# Altium PCB DM1092.PcbDoc (part 5 of 5)
Units mm, origin at the board's own origin, x right, y up, seen from the top; angles counter-clockwise.
Board outline 60 x 45 mm, 6 copper layers (Layer 1, Layer 2, Layer 3, Layer 4, Layer 5, Layer 6), stack 1.599 mm thick; 208 components, 159 nets, 838 pads, 480 vias.
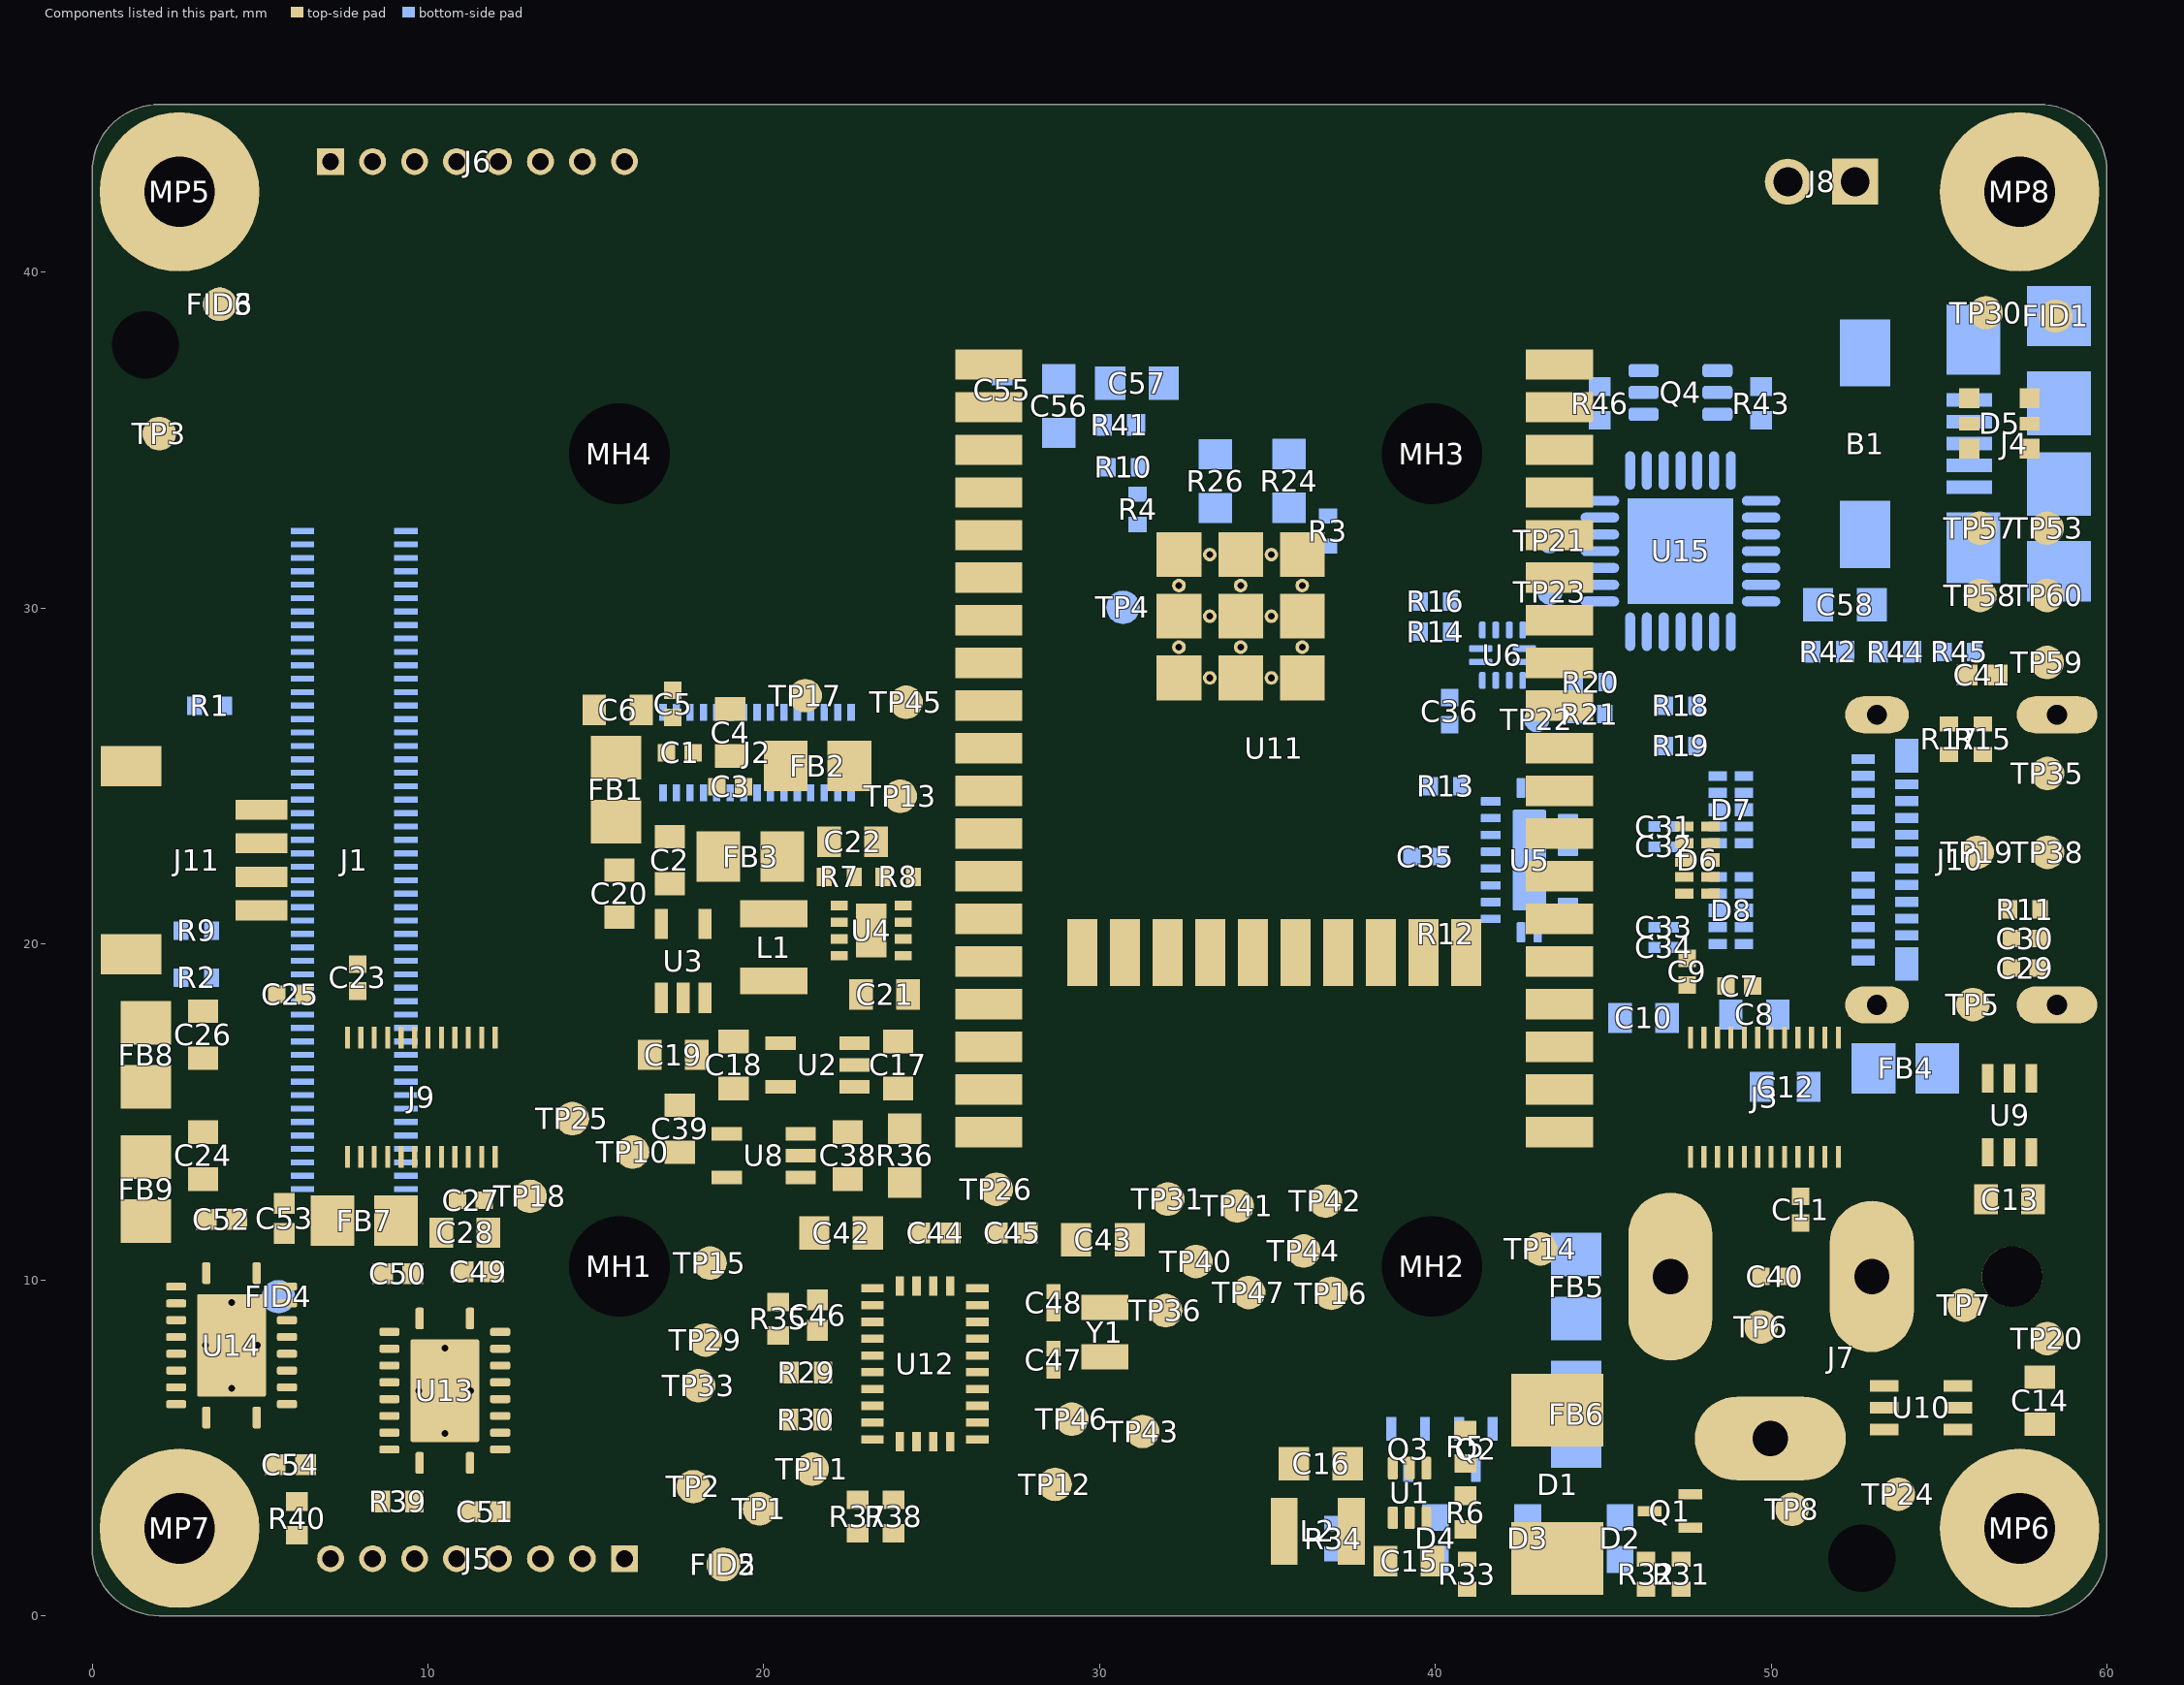
[diagram p9: the components of this part, seen from the top]

## Silkscreen, mask and mechanical layers (free items; w line width, h text height) (continued)
Drill Drawing:
  drawing of 351 lines, arcs and shapes, not listed
  text "Layer" at 45.499,86.616 h1
  text "Name" at 49.683,86.616 h1
  text "Material" at 57.773,86.616 h1
  text "Thickness" at 65.043,86.616 h1
  text "Constant" at 71.015,86.615 h1
  text "Board Layer Stack" at 76.542,86.616 h1
  text "Top Overlay" at 49.683,84.616 h1
  text "Top Mask" at 49.683,82.616 h1
  text "Solder Resist" at 57.773,82.615 h1
  text "0,59mil" at 65.043,82.616 h1
  text "3,8" at 71.015,82.616 h1
  text "Symbol" at -19.108,82.481 h1.2
  text "Count" at -14.41,82.48 h1.2
  text "Hole Size" at -9.539,82.48 h1.2
  text "Plated" at 0.024,82.481 h1.2
  text "Hole Type" at 4.148,82.481 h1.2
  text "Drill Layer Pair" at 10.152,82.481 h1.2
  text "1" at 45.499,80.616 h1
  text "Layer 1" at 49.683,80.616 h1
  text "Copper" at 57.773,80.616 h1
  text "1,38mil" at 65.043,80.616 h1
  text "1" at -14.41,80.412 h1
  text "70,87mil (1,800mm)" at -9.539,80.412 h1
  text "NPTH" at 0.024,80.412 h1
  text "Round" at 4.148,80.412 h1
  text "Layer 1 - Layer 6" at 10.152,80.412 h1
  text "Dielectric 1" at 49.683,78.616 h1
  text "2313" at 57.772,78.616 h1
  text "3,94mil" at 65.043,78.616 h1
  text "4,05" at 71.015,78.616 h1
  text "2" at -14.41,78.344 h1
  text "33,86mil (0,860mm)" at -9.539,78.343 h1
  text "PTH" at 0.024,78.344 h1
  text "Round" at 4.148,78.344 h1
  text "Layer 1 - Layer 6" at 10.152,78.344 h1
  text "2" at 45.498,76.616 h1
  text "Layer 2" at 49.683,76.616 h1
  text "Copper" at 57.773,76.616 h1
  text "0,69mil" at 65.043,76.616 h1
  text "2" at -14.41,76.275 h1
  text "78,74mil (2,000mm)" at -9.539,76.274 h1
  text "NPTH" at 0.024,76.275 h1
  text "Round" at 4.148,76.275 h1
  text "Layer 1 - Layer 6" at 10.152,76.275 h1
  text "Core 1" at 49.683,74.615 h1
  text "FR-4" at 57.773,74.616 h1
  text "22,24mil" at 65.042,74.616 h1
  text "4,5" at 71.015,74.616 h1
  text "2" at -14.41,74.206 h1
  text "NPTH" at 0.024,74.206 h1
  text "Round" at 4.148,74.206 h1
  text "Layer 1 - Layer 6" at 10.152,74.206 h1
  text "82,68mil (2,100mm)" at -9.539,74.205 h1
  text "3" at 45.499,72.616 h1
  text "Layer 3" at 49.683,72.616 h1
  text "Copper" at 57.773,72.616 h1
  text "0,69mil" at 65.043,72.616 h1
  text "2" at -14.41,72.137 h1
  text "82,68mil (2,100mm)" at -9.539,72.137 h1
  text "PTH" at 0.024,72.137 h1
  text "Round" at 4.148,72.138 h1
  text "Layer 1 - Layer 6" at 10.152,72.138 h1
  text "Dielectric 2" at 49.683,70.616 h1
  text "2116" at 57.772,70.615 h1
  text "5,00mil" at 65.043,70.616 h1
  text "4,25" at 71.015,70.616 h1
  text "3" at -14.41,70.069 h1
  text "41,34mil (1,050mm)" at -9.539,70.068 h1
  text "PTH" at 0.024,70.069 h1
  text "Slot" at 4.148,70.068 h1
  text "Layer 1 - Layer 6" at 10.152,70.069 h1
  text "4" at 45.499,68.616 h1
  text "Layer 4" at 49.683,68.616 h1
  text "Copper" at 57.773,68.616 h1
  text "0,69mil" at 65.043,68.616 h1
  text "4" at -14.41,68 h1
  text "23,62mil (0,600mm)" at -9.539,67.999 h1
  text "PTH" at 0.024,68 h1
  text "Slot" at 4.148,67.999 h1
  text "Layer 1 - Layer 6" at 10.152,68 h1
  text "Core 2" at 49.683,66.615 h1
  text "FR-4" at 57.773,66.616 h1
  text "22,24mil" at 65.042,66.616 h1
  text "4,5" at 71.015,66.616 h1
  text "4" at -14.41,65.931 h1
  text "118,11mil (3,000mm)" at -9.539,65.931 h1
  text "PTH" at 0.024,65.931 h1
  text "Round" at 4.148,65.932 h1
  text "Layer 1 - Layer 6" at 10.152,65.932 h1
  text "5" at 45.499,64.615 h1
  text "Layer 5" at 49.683,64.616 h1
  text "Copper" at 57.773,64.616 h1
  text "0,69mil" at 65.043,64.616 h1
  text "16" at -14.41,63.862 h1
  text "19,69mil (0,500mm)" at -9.539,63.862 h1
  text "PTH" at 0.024,63.863 h1
  text "Round" at 4.148,63.863 h1
  text "Layer 1 - Layer 6" at 10.152,63.863 h1
  text "Dielectric 3" at 49.683,62.616 h1
  text "2313" at 57.772,62.616 h1
  text "3,94mil" at 65.043,62.616 h1
  text "4,05" at 71.015,62.616 h1
  text "20" at -14.41,61.793 h1
  text "10,00mil (0,254mm)" at -9.539,61.793 h1
  text "PTH" at 0.024,61.794 h1
  text "Round" at 4.148,61.794 h1
  text "Layer 1 - Layer 6" at 10.152,61.794 h1
  text "6" at 45.499,60.615 h1
  text "Layer 6" at 49.683,60.616 h1
  text "Copper" at 57.773,60.616 h1
  text "1,38mil" at 65.043,60.616 h1
  text "478" at -14.41,59.724 h1
  text "8,00mil (0,203mm)" at -9.539,59.724 h1
  text "PTH" at 0.024,59.725 h1
  text "Round" at 4.148,59.725 h1
  text "Layer 1 - Layer 6" at 10.152,59.725 h1
  text "Bottom Mask" at 49.683,58.616 h1
  text "Solder Resist" at 57.773,58.615 h1
  text "0,59mil" at 65.043,58.616 h1
  text "3,8" at 71.015,58.616 h1
  text "534 Total" at -14.41,57.656 h1
  text "Bottom Overlay" at 49.683,56.616 h1
  text "Slot definitions :" at -19.108,56.208 h1
  text "Routed Path Length" at -12.291,56.209 h1
  text "= Calculated from tool start centre position to tool end centre position." at -3.846,56.208 h1
  text "Hole Length" at -12.291,55.381 h1
  text "= Routed Path Length + Tool Size = Slot length as defined in the PCB layout" at -6.981,55.381 h1
  text "Total board thickness:" at 45.499,54.616 h1
  text "64,06mil" at 65.043,54.616 h1

## Dimensions
24.8,7 to 0,0 on Dimensions
25.079,7.5 to 0,0 on Dimensions
0,0 to 2,45 on Dimensions
0,0 to 60,2 on Dimensions
58,0 to 53,10.1 on Dimensions
53.391,22.506 to 58,0 on Dimensions
58.075,34.9 to 58,0 on Dimensions
8.3,22.5 to 0,0 on Dimensions
11.475,1.7 to 0,0 on Dimensions
11.475,43.3 to 0,43 on Dimensions
7.8,23 to 0,0 on Dimensions
52.036,36.938 to 0,0 on Dimensions
9.8,37.938 to 49.8,37.938 on Dimensions
19.8,25.706 to 0,0 on Dimensions
19.8,25.706 to 0,0 on Dimensions
9.8,37.938 to 19.8,36.96 on Dimensions

## Text inside footprints (layer, text, board x,y; h text height)
J5: Bottom Overlay "1" at 17.975,0.5 h1; Bottom Overlay "8" at 5.225,0.5 h1
J6: Bottom Overlay "1" at 4.975,44.5 h1 r180; Bottom Overlay "8" at 17.725,44.5 h1 r180
J7: Bottom Overlay "-" at 51.308,2.794 h3; Bottom Overlay "+" at 46.609,2.54 h3; Bottom Overlay "5V" at 55.118,2.794 h3
MISC1: Bottom Assembly "BW1099 Module" at 31.55,21.7 h2
U5: Assembly Notes "Based on 0.125 thick stencil" at 42.905,25.1 h0.5 r90
U11: Top Assembly "WROOM" at 33.2,19.26 h1; Top Assembly "PCB ANTENNA" at 29.2,41 h2; Top Assembly "WROVER" at 33.2,14.01 h1